# Altium PCB SmartHaloEE.PcbDoc (part 1 of 3) (continued)
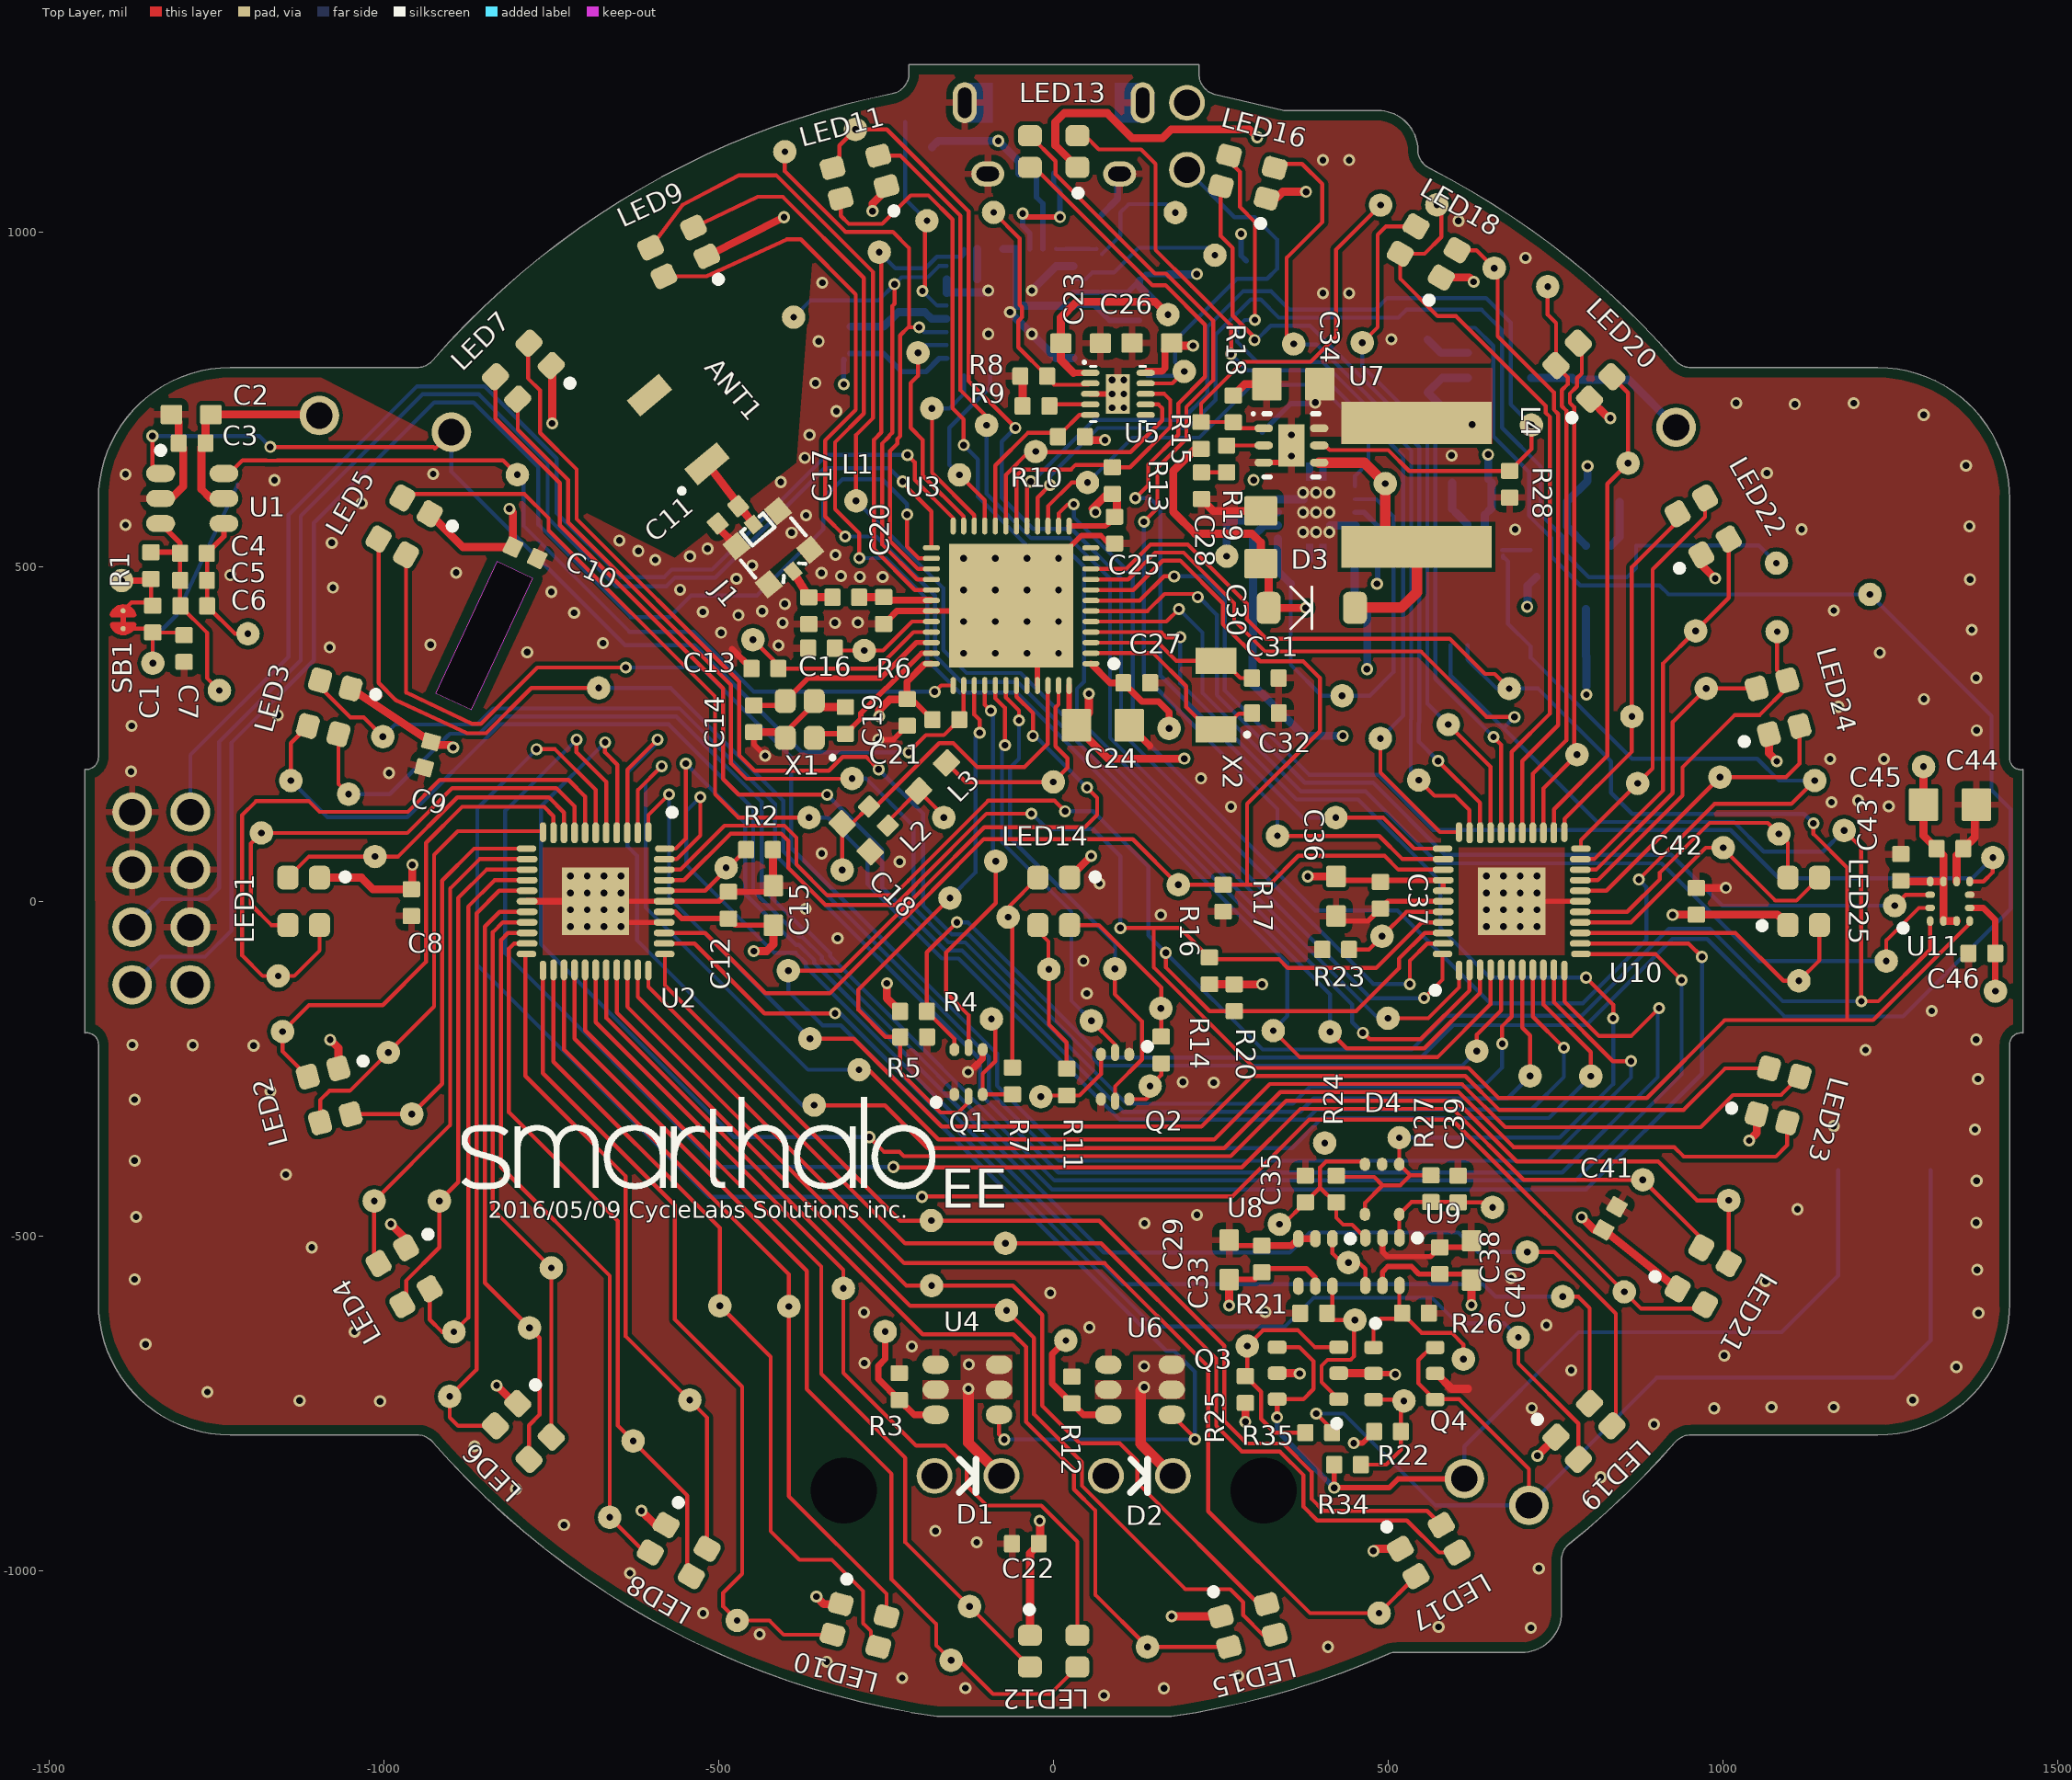
[diagram p0: Top Layer view]
## Components (designator, comment, footprint, x,y, rotation, side; value= is the part's Value field where it differs from the comment) (continued)
LED16 "LTSN-N213EGBW" LTSN-N213EGBW 289.88,1081.89 r75 top locked
LED17 "LTSN-N213EGBW" LTSN-N213EGBW 560.04,-970.04 r300 top locked
LED18 "LTSN-N213EGBW" LTSN-N213EGBW 560.04,970 r60 top locked
LED19 "LTSN-N213EGBW" LTSN-N213EGBW 792.01,-792.01 r315 top locked
LED20 "LTSN-N213EGBW" LTSN-N213EGBW 792.01,792.01 r45 top locked
LED21 "LTSN-N213EGBW" LTSN-N213EGBW 970,-560.04 r330 top locked
LED22 "LTSN-N213EGBW" LTSN-N213EGBW 970,560.04 r30 top locked
LED23 "LTSN-N213EGBW" LTSN-N213EGBW 1081.89,-289.92 r345 top locked
LED24 "LTSN-N213EGBW" LTSN-N213EGBW 1081.89,289.88 r15 top locked
LED25 "LTSN-N213EGBW" LTSN-N213EGBW 1120.08,0 r0 top locked
Q1 "NX3020NAKV" SOT666 -127.2,-255 r90 top
Q2 "NX3020NAKV" SOT666 91.7,-262.2 r270 top
Q3 "Si3590DV" TSOP-6 379.7,-704.9 r90 top
Q4 "Si3590DV" TSOP-6 523.7,-705.5 r270 top
R1 "2k Ohm" VARITRON_RES0402 -1348.2,501.5 r270 top
R2 "3.9k Ohm" VARITRON_RES0402 -439.3,77.1 r0 top
R3 "100 Ohm" VARITRON_RES0402 -230.61,-724.88 r270 top
R4 "100k Ohm" VARITRON_RES0402 -209.4,-164.6 r180 top
R5 "100k Ohm" VARITRON_RES0402 -209.1,-202.6 r180 top
R6 "100k Ohm" VARITRON_RES0402 -161,271.3 r180 top
R7 "160 Ohm" VARITRON_RES0402 -61.7,-268.4 r90 top
R8 "560 Ohm" VARITRON_RES0402 -29.8,784.6 r180 top
R9 "1k Ohm" VARITRON_RES0402 -26.4,739.9 r180 top
R10 "10k Ohm" VARITRON_RES0402 26.4,694 r0 top
R11 "110 Ohm" VARITRON_RES0402 19.4,-270.1 r90 top
R12 "100 Ohm" VARITRON_RES0402 27.24,-730.06 r270 top
R13 "10k Ohm" VARITRON_RES0402 87.7,628.5 r90 top
R14 "110 Ohm" VARITRON_RES0402 160.6,-222.1 r90 top
R15 "510k Ohm" VARITRON_RES0402 220.1,696 r270 top
R16 "4.7k Ohm" VARITRON_RES0402 232.6,-103.9 r270 top
R17 "100k Ohm" VARITRON_RES0402 253.1,4.6 r90 top
R18 "33k Ohm" VARITRON_RES0402 268.3,735.5 r270 top
R19 "10k Ohm" VARITRON_RES0402 258.2,660.8 r270 top
R20 "4.7k Ohm" VARITRON_RES0402 269.7,-144.1 r90 top
R21 "100k Ohm" VARITRON_RES0402 388.3,-615.4 r0 top
R22 "10k Ohm" Varitron_RES0402 498.5,-792.2 r180 top
R23 "3.9k Ohm" VARITRON_RES0402 421.1,-72 r180 top
R24 "1k Ohm" VARITRON_RES0402 422,-429.8 r90 top
R25 "10k Ohm" Varitron_RES0402 286.3,-729.5 r270 top
R26 "100k Ohm" VARITRON_RES0402 540.3,-615.3 r180 top
R27 "1k Ohm" VARITRON_RES0402 563.26,-429.33 r90 top
R28 "100k Ohm" VARITRON_RES0402 681,623 r270 top
R29 "100k Ohm" VARITRON_RES0402 922.6,551.5 r270 bottom
R30 "100k Ohm" Varitron_RES0402 721,504.6 r270 bottom
R31 "100k Ohm" VARITRON_RES0402 456,669.6 r315 bottom
R32 "10k Ohm" VARITRON_RES0402 171.9,956.3 r270 bottom
R33 "12k Ohm" VARITRON_RES0402 126.9,996.3 r270 bottom
R34 "10k Ohm" Varitron_RES0402 438.9,-841.5 r0 top
R35 "10k Ohm" Varitron_RES0402 395.8,-793.8 r180 top
R36 "12k Ohm" Varitron_RES0402 -201.6,1126.8 r0 bottom
R37 "12k Ohm" Varitron_RES0402 -202,1164.1 r0 bottom
RT1 "NTCS0402E3103FLT" VARITRON_RES0402 139.7,805.2 r270 bottom
RT2 "" THERMISTOR_TH 199,1142.9 r270 bottom
SB1 "Solderbridge" Solderbridge_Shorted -1389.8,433.9 r270 top net-tie
TP1 "" TESTPAD-TH-35MILS 1406.4,-134.3 r180 bottom locked
TP2 "" TESTPAD-TH-35MILS 1402.6,65.2 r180 bottom locked
TP3 "" TESTPAD-TH-35MILS 1299.08,201.22 r180 bottom locked
TP4 "" TESTPAD-TH-35MILS 1256.1,-6.5 r180 bottom locked
TP5 "" TESTPAD-TH-35MILS 1243.4,-89.2 r180 bottom locked
TP6 "" TESTPAD-TH-35MILS 1219,458.5 r180 bottom locked
TP7 "" TESTPAD-TH-35MILS 1180.5,105.8 r180 bottom locked
TP8 "" TESTPAD-TH-35MILS 1136.6,180.4 r180 bottom locked
TP9 "" TESTPAD-TH-35MILS 1112.9,-118.9 r180 bottom locked
TP10 "" TESTPAD-TH-35MILS 1083.1,100.7 r180 bottom locked
TP11 "" TESTPAD-TH-35MILS 1080.5,402.9 r180 bottom locked
TP12 "" TESTPAD-TH-35MILS 1079.4,505.2 r180 bottom locked
TP13 "" TESTPAD-TH-35MILS 1008.17,-446.77 r180 bottom locked
TP14 "" TESTPAD-TH-35MILS 1000,80.1 r180 bottom locked
TP15 "" TESTPAD-TH-35MILS 995.2,185.5 r180 bottom locked
TP16 "" TESTPAD-TH-35MILS 974.7,317.9 r180 bottom locked
TP17 "" TESTPAD-TH-35MILS 958.8,404 r180 bottom locked
TP18 "" TESTPAD-TH-1_5MM 929.5,708.1 r180 bottom
TP19 "" TESTPAD-TH-35MILS 879.9,-416 r180 bottom locked
TP20 "" TESTPAD-TH-35MILS 872.1,176.1 r180 bottom locked
TP21 "" TESTPAD-TH-35MILS 863.6,276.2 r180 bottom locked
TP22 "" TESTPAD-TH-35MILS 857.9,654.5 r180 bottom locked
TP23 "" TESTPAD-TH-35MILS 852.1,-583.4 r180 bottom locked
TP24 "" TESTPAD-TH-35MILS 802.2,-261.3 r180 bottom locked
TP25 "" TESTPAD-TH-35MILS 781.7,219 r180 bottom locked
TP26 "" TESTPAD-TH-35MILS 760.2,-590.7 r180 bottom locked
TP27 "" TESTPAD-TH-35MILS 737.8,918.3 r180 bottom locked
TP28 "" TESTPAD-TH-1_5MM 709.7,-902.5 r180 bottom locked
TP29 "" TESTPAD-TH-35MILS 713.4,711.4 r180 bottom locked
TP30 "" TESTPAD-TH-35MILS 711.5,-260.9 r180 bottom locked
TP31 "" TESTPAD-TH-35MILS 707.3,-523.8 r180 bottom locked
TP32 "" TESTPAD-TH-35MILS 693.9,-651.3 r180 bottom locked
TP33 "" TESTPAD-TH-35MILS 680.3,317.8 r180 bottom locked
TP34 "" TESTPAD-TH-35MILS 658,945.9 r180 bottom locked
TP35 "" TESTPAD-TH-35MILS 655.5,-457.2 r180 bottom locked
TP36 "" TESTPAD-TH-1_5MM 613.4,-862.7 r180 bottom locked
TP37 "" TESTPAD-TH-35MILS 631.9,-223.7 r180 bottom locked
TP38 "" TESTPAD-TH-35MILS 624.9,712.2 r180 bottom locked
TP39 "" TESTPAD-TH-35MILS 611.9,-683.8 r180 bottom locked
TP40 "" TESTPAD-TH-35MILS 589.4,264 r180 bottom locked
TP41 "" TESTPAD-TH-35MILS 545.2,181.1 r180 bottom locked
TP42 "" TESTPAD-TH-35MILS 516.04,-353.16 r180 bottom locked
TP43 "" TESTPAD-TH-35MILS 499.2,-174.7 r180 bottom locked
TP44 "" TESTPAD-TH-35MILS 490.4,-52.3 r180 bottom locked
TP45 "" TESTPAD-TH-35MILS 487.9,243.2 r180 bottom locked
TP46 "" TESTPAD-TH-35MILS 485.98,-1063.4 r180 bottom locked
TP47 "" TESTPAD-TH-35MILS 572.3,1040.4 r180 bottom locked
TP48 "" TESTPAD-TH-35MILS 450,-625.5 r180 bottom locked
TP49 "" TESTPAD-TH-35MILS 460.9,834.6 r180 bottom locked
TP50 "" TESTPAD-TH-35MILS 440.2,-539.6 r180 bottom locked
TP51 "" TESTPAD-TH-35MILS 430.8,307.1 r180 bottom locked
TP52 "" TESTPAD-TH-35MILS 421.3,125.1 r180 bottom locked
TP53 "" TESTPAD-TH-35MILS 412.7,-195 r180 bottom locked
TP54 "" TESTPAD-TH-35MILS 404.8,-361.1 r180 bottom locked
TP55 "" TESTPAD-TH-35MILS 358.4,832.6 r180 bottom locked
TP56 "" TESTPAD-TH-35MILS 337.3,-482.5 r180 bottom locked
TP57 "" TESTPAD-TH-35MILS 334.2,97.8 r180 bottom locked
TP58 "" TESTPAD-TH-35MILS 327.9,-193.2 r180 bottom locked
TP59 "" TESTPAD-TH-35MILS 240.8,965.2 r180 bottom locked
TP60 "" TESTPAD-TH-35MILS 181.7,1028.9 r180 bottom locked
TP61 "" TESTPAD-TH-35MILS 194.9,791.5 r180 bottom locked
TP62 "" TESTPAD-TH-35MILS 186.2,24.6 r180 bottom locked
TP63 "" TESTPAD-TH-35MILS 172.3,258.3 r180 bottom locked
TP64 "" TESTPAD-TH-35MILS 160,-160.1 r180 bottom locked
TP65 "" TESTPAD-TH-35MILS 144,-275.9 r180 bottom locked
TP66 "" TESTPAD-TH-35MILS 140.02,-1113.92 r180 bottom locked
TP67 "" TESTPAD-TH-35MILS 91.4,-101 r180 bottom locked
TP68 "" TESTPAD-TH-35MILS 56.3,-178.4 r180 bottom locked
TP69 "" TESTPAD-TH-35MILS 50.5,625.5 r180 bottom locked
TP70 "" TESTPAD-TH-35MILS 18.1,-656 r180 bottom locked
TP71 "" TESTPAD-TH-35MILS -0.5,178.3 r180 bottom locked
TP72 "" TESTPAD-TH-35MILS -7.2,-101.7 r180 bottom locked
TP73 "" TESTPAD-TH-35MILS -19.1,-291.8 r180 bottom locked
TP74 "" TESTPAD-TH-35MILS -26.9,671.9 r180 bottom locked
TP75 "" TESTPAD-TH-35MILS -68.1,-23.6 r180 bottom locked
TP76 "" TESTPAD-TH-35MILS -70.4,-611.3 r180 bottom locked
TP77 "" TESTPAD-TH-35MILS -72.1,-511 r180 bottom locked
TP78 "" TESTPAD-TH-35MILS -86.6,59.9 r180 bottom locked
TP79 "" TESTPAD-TH-35MILS -93,-175.8 r180 bottom locked
TP80 "" TESTPAD-TH-35MILS -100.2,711.1 r180 bottom locked
TP81 "" TESTPAD-TH-35MILS -125.6,-1053.4 r180 bottom locked
TP82 "" TESTPAD-TH-35MILS -140.8,637 r180 bottom locked
TP83 "" TESTPAD-TH-35MILS -153.3,-1133.8 r180 bottom locked
TP84 "" TESTPAD-TH-35MILS -154.9,4.9 r180 bottom locked
TP85 "" TESTPAD-TH-35MILS -164.1,125.1 r180 bottom locked
TP86 "" TESTPAD-TH-35MILS -182.1,736.3 r180 bottom locked
TP87 "" TESTPAD-TH-35MILS -182.3,-574.1 r180 bottom locked
TP88 "" TESTPAD-TH-35MILS -182.8,-476.9 r180 bottom locked
TP89 "" TESTPAD-TH-35MILS -202.7,819.3 r180 bottom locked
TP90 "" TESTPAD-TH-35MILS 170.6,876.5 r180 bottom locked
TP91 "" TESTPAD-TH-35MILS -260.5,969.8 r180 bottom locked
TP92 "" TESTPAD-TH-35MILS -251.7,-642.8 r180 bottom locked
TP93 "" TESTPAD-TH-35MILS -282.9,374.6 r180 bottom locked
TP94 "" TESTPAD-TH-35MILS -290.7,-251.7 r180 bottom locked
TP95 "" TESTPAD-TH-35MILS -295.1,598.1 r180 bottom locked
TP96 "" TESTPAD-TH-35MILS -296,1153.2 r180 bottom locked
TP97 "" TESTPAD-TH-35MILS -301.2,183.6 r180 bottom locked
TP98 "" TESTPAD-TH-35MILS -314.1,-578.3 r180 bottom locked
TP99 "" TESTPAD-TH-35MILS -315.7,46.9 r180 bottom locked
TP100 "" TESTPAD-TH-35MILS -357.7,-304.5 r180 bottom locked
TP101 "" TESTPAD-TH-35MILS -363.9,-205.4 r180 bottom locked
TP102 "" TESTPAD-TH-35MILS -365.4,124.9 r180 bottom locked
TP103 "" TESTPAD-TH-35MILS -388.4,872.6 r180 bottom locked
TP104 "" TESTPAD-TH-35MILS -395.4,-605.2 r180 bottom locked
TP105 "" TESTPAD-TH-35MILS -396.4,-103.6 r180 bottom locked
TP106 "" TESTPAD-TH-35MILS -401.5,1119.8 r180 bottom locked
TP107 "" TESTPAD-TH-35MILS -449.2,390.9 r180 bottom locked
TP108 "" TESTPAD-TH-35MILS -472.7,-1074.3 r180 bottom locked
TP109 "" TESTPAD-TH-35MILS -489.2,50.2 r180 bottom locked
TP110 "" TESTPAD-TH-35MILS -498.7,-604.4 r180 bottom locked
TP111 "" TESTPAD-TH-35MILS -543.4,-745 r180 bottom locked
TP112 "" TESTPAD-TH-35MILS -628.1,-806.1 r180 bottom locked
TP113 "" TESTPAD-TH-35MILS -663.1,-920.2 r180 bottom locked
TP114 "" TESTPAD-TH-35MILS -679.6,318.6 r180 bottom locked
TP115 "" TESTPAD-TH-35MILS -750.29,-547.61 r180 bottom locked
TP116 "" TESTPAD-TH-35MILS -782.9,-637.1 r180 bottom locked
TP117 "" TESTPAD-TH-35MILS -801,637.3 r180 bottom locked
TP118 "" TESTPAD-TH-1_5MM -899.5,700.9 r180 bottom locked
TP119 "" TESTPAD-TH-35MILS -895.7,-643.2 r180 bottom locked
TP120 "" TESTPAD-TH-35MILS -902.1,-739.6 r180 bottom locked
TP121 "" TESTPAD-TH-35MILS -917.4,-447.6 r180 bottom locked
TP122 "" TESTPAD-TH-35MILS -958.6,-317.9 r180 bottom locked
TP123 "" TESTPAD-TH-35MILS -993.8,-225.7 r180 bottom locked
TP124 "" TESTPAD-TH-35MILS -1001.8,246 r180 bottom locked
TP125 "" TESTPAD-TH-35MILS -1013.6,66.9 r180 bottom locked
TP126 "" TESTPAD-TH-35MILS -1014.8,-447.7 r180 bottom locked
TP127 "" TESTPAD-TH-35MILS -1053,160.1 r180 bottom locked
TP128 "" TESTPAD-TH-1_5MM -1096.7,725.7 r180 bottom locked
TP129 "" TESTPAD-TH-35MILS -1139.3,180.3 r180 bottom locked
TP130 "" TESTPAD-TH-35MILS -1151.6,-194.6 r180 bottom locked
TP131 "" TESTPAD-TH-35MILS -1158.2,-111.5 r180 bottom locked
TP132 "" TESTPAD-TH-35MILS -1183.3,102.1 r180 bottom locked
TP133 "" TESTPAD-TH-35MILS -1203.4,399.6 r180 bottom locked
TP134 "" TESTPAD-TH-35MILS -1246,315 r180 bottom locked
TP135 "" TESTPAD-TH-1_5MM -1289.36,-124.7 r180 bottom locked
TP136 "" TESTPAD-TH-1_5MM -1289.36,-38.7 r180 bottom locked
TP137 "" TESTPAD-TH-1_5MM -1289.36,47.3 r180 bottom
TP138 "" TESTPAD-TH-1_5MM -1289.36,133.3 r180 bottom locked
TP139 "" TESTPAD-TH-35MILS -1345.5,355.8 r180 bottom locked
TP140 "" TESTPAD-TH-1_5MM -1376.36,-124.7 r180 bottom locked
TP141 "" TESTPAD-TH-1_5MM -1376.36,47.3 r180 bottom
TP142 "" TESTPAD-TH-1_5MM -1376.36,133.3 r180 bottom
TP143 "" TESTPAD-TH-1_5MM -1376.36,-38.7 r180 bottom locked
TP144 "" TESTPAD-TH-35MILS -1392,479.1 r180 bottom locked
TP145 "TP" TESTPAD-TH-35MILS -189.3,1016.7 r180 bottom locked
TP146 "TP" TESTPAD-TH-35MILS 523.1,-746.3 r180 bottom locked
TP147 "TP" TESTPAD-TH-35MILS -89.7,1029.1 r180 bottom locked
TP148 "TP" TESTPAD-TH-35MILS 289.1,-664.3 r180 bottom locked
TP149 "TP" TESTPAD-TH-35MILS 258.4,515.5 r180 bottom locked
TP150 "TP" TESTPAD-TH-35MILS 488.2,1040 r180 bottom locked
TP151 "TP" TESTPAD-TH-35MILS 495.3,624 r180 bottom locked
U1 "AT42QT1010" 6ST1_N -1286.53,601.75 r0 top locked
U2 "IS31FL3236-QFLS2-TR" QFN-44 -684.06,0 r270 top locked
U3 "nRF52832-QFAA" QFN40P600X600X90-48N -63.52,441.52 r180 top
U4 "IS31LT3171" SOT23-6 -128.94,-729.65 r90 top
U5 "BQ24040DSQR" DSQ10-1500X900TP 96,758 r270 top
U6 "IS31LT3171" SOT23-6 128.94,-729.65 r90 top
U7 "TPS61170DRVR" DRV6-1600X1000TP 355.1,681 r0 top
U8 "74LVC2GU04DCKRG4" SOT363_SC70_6 390.87,-539.51 r180 top
U9 "NL27WZ14DFT2G" SOT363_SC70_6 491.02,-538.35 r180 top
U10 "IS31FL3236-QFLS2-TR" QFN-44 684.06,0 r90 top locked
U11 "LSM303AGR" LGA12-2X2X1_N 1338.58,0 r90 top locked
U12 "TLV70028DDCR" SOT23-5_N 832.32,484 r270 bottom
U13 "TLV70028DDCR" SOT23-5_N 666.1,819.42 r0 bottom
U14 "LC709203FQH-01TWG" WDFN8 631.04,453.78 r0 bottom
U15 "TPS61202DRCR" DRC10-2400X1650TP 392,581 r0 bottom
U16 "CY7C65213-32LTXI" QFN-32-TP -65.2,880 r0 bottom
X1 "CX2016DB32000D0WPRC1" CRYSTAL_2016_4PINS -379.33,271.69 r90 top
X2 "ST3215SB32768E0HPWB1" CRYSTAL_3215_2PINS 242.56,308.05 r90 top

## Footprints (in the part's own frame and the unit in brackets; to place one, negate y for a bottom-side part, rotate by r counter-clockwise, add the part's x,y. Pads: shape width x height; smd on the part's side, far side on the other; paste and mask are expansions set on the pad)
6ST1_N [mm] "SOT23, 6-Leads, Body 2.9x1.6mm, Pitch 0.95mm, Lead Span 2.8mm, IPC Medium Density"
  oval 1.1x0.65 smd mask+0.076: 1(-1.2,0.95) 2(-1.2,0) 3(-1.2,-0.95) 4(1.2,-0.95) 5(1.2,0) 6(1.2,0.95)
  silkscreen extent -1.32,1.7 -1.07,1.95, body extent -0.87,-1.5 0.87,1.5, height 1.45
2450AT18A100 [mm] "Johanson Technology 2.45GHz SMD Chip Antenna, 3.2 x 1.6 mm body, 0.8 x 1.6 mm pads"
  rect 0.8x1.6 smd: 1(-1.7,0) 2(1.7,0)
  silkscreen extent -1.93,1.34 -1.82,1.46, body extent -1.6,-0.8 1.6,0.8, height 1.3
10118194-0001LF [mm] "Micro USB B Type Receptacle, 5 pins, 0.4 x 1.35 mm pads"
  rrect100% 0.9x1.55 hole 0.5 slot 1.15 at 90 deg unplated: 0(-3.375,-2.675) 0(3.375,-2.675)
  rect 0.5x0.5 smd paste-0.1 mask-0.1: 0(-2.6,-2.675) 0(2.6,-2.675)
  rrect100% 1.25x0.95 hole 0.55 slot 0.85 at 0 deg unplated: 0(-2.5,0.025) 0(2.5,0.025)
  rect 1.5x1.55 smd: 0(-1,-2.675) 0(1,-2.675)
  oval 0.4x1.35 smd mask+0.051: 1(-1.3,0) 2(-0.65,0) 3(0,0) 4(0.65,0) 5(1.3,0)
  Top Layer region: -3.325,-3.425 -3.516,-3.387 -3.679,-3.279 -3.787,-3.116 -3.825,-2.925 -3.825,-2.925 -3.825,-2.425 -3.787,-2.234 -3.679,-2.071 -3.516,-1.963 -3.325,-1.925 -3.325,-1.925 -2.325,-1.925 -2.325,-3.425
  Top Layer region: 3.325,-1.925 3.516,-1.963 3.679,-2.071 3.787,-2.234 3.825,-2.425 3.825,-2.425 3.825,-2.925 3.787,-3.116 3.679,-3.279 3.516,-3.387 3.325,-3.425 3.325,-3.425 2.325,-3.425 2.325,-1.925
  body extent -3.7,-4.82 3.7,0.13, height 3.06
59453061110ECHLF [mm] "Connector, 6 contacts, 0.3 x 0.9 mm pads, 0.52 x 1.0 mm mechanical pads, 0.5 mm pitch"
  oval 0.52x1 smd: 0(-1.99,-1.2) 0(1.99,-1.2)
  oval 0.3x0.9 smd mask+0.051: 1(-1.25,0) 2(-0.75,0) 3(-0.25,0) 4(0.25,0) 5(0.75,0) 6(1.25,0)
  silkscreen extent -2.25,-3.35 2.25,-0.15, body extent -2.25,-3.35 2.25,-0.15, height 0.9
709296001002006 [mm] "Connector Wire to Board, 2.0 x 2.0 mm, 2 pads, 2.4 x 2.2 mm, 4 mm pitch"
  rect 2.4x2.2 smd: 1(-2,0) 1(2,0)
  silkscreen extent -0.6,-1 0.57,1, body extent -3,-1 3,1, height 2
BM02(3)B-ADHSS-GAN-ETB [mm] "ADH Connector, 2 pins, 0.9 x 0.6 mm pads, 2 mecanical pads 2.2 x 0.75 mm"
  rect 2.2x0.75 smd: 0(-3.4,-2.525) 0(-3.4,2.525)
  rect 0.9x0.6 smd: 1(0,1.3) 2(0,-1.3)
  silkscreen extent 0.52,2.53 0.77,2.77, body extent -4,-2.85 0.3,2.85, height 1.9
COAXIAL-SWF [mm]
  rect 0.5x0.58 smd: 1(0,1.16) 3(0,-1.16)
  rect 0.75x0.8 smd: 2(-1.025,0.95) 2(-1.025,-0.95) 2(1.025,-0.95) 2(1.025,0.95)
  Top Layer pour cut-out: -0.65,0.55 0.65,0.55 0.65,1.35 -0.65,1.35
  Top Layer pour cut-out: 0.65,-0.55 -0.65,-0.55 -0.65,-1.35 0.65,-1.35
  silkscreen extent -1.25,-1.25 1.25,1.25
CRYSTAL_2016_4PINS [mm] "CRYSTAL 2.0 x 1.6 mm, 4 Pads, 1.4 mm Horizontal Pitch, 1.1 mm Vertical Pitch"
  rrect50% 0.9x0.8 smd: 1(-0.7,-0.55) 2(0.7,-0.55) 3(0.7,0.55) 4(-0.7,0.55)
  silkscreen extent -1.47,-1.27 -1.42,-1.22, body extent -1,-0.8 1,0.8, height 0.4
CRYSTAL_3215_2PINS [mm] "CRYSTAL 3.2 x 1.5 x 0.8 mm, 2 Pads 1.0 x 1.55 mm, 2.6 mm pitch"
  rect 1x1.55 smd: 1(-1.3,0) 2(1.3,0)
  silkscreen extent -1.53,-1.2 -1.47,-1.15, body extent -1.6,-0.75 1.6,0.75, height 0.8
DRC10-2400X1650TP [mm] "SON, 10-Leads, Body 3x3mm, Pitch 0.5mm, Thermal Pad 2.4x1.65mm, TI Recommended"
  oval 0.85x0.28 smd paste-0.025 mask+0.07: 1(-1.475,1) 2(-1.475,0.5) 3(-1.475,0) 4(-1.475,-0.5) 5(-1.475,-1) 6(1.475,-1) 7(1.475,-0.5) 8(1.475,0) 9(1.475,0.5) 10(1.475,1)
  rect 1.65x2.4 smd paste-0.825 mask+0.07: 11(0,0)
  Top Layer region: -0.39,-1.199 -0.11,-1.199 -0.11,-1.899 -0.39,-1.899
  Top Layer region: 0.39,-1.899 0.11,-1.899 0.11,-1.199 0.39,-1.199
  Top Layer region: 0.39,1.199 0.11,1.199 0.11,1.899 0.39,1.899
  Top Layer region: -0.39,1.899 -0.11,1.899 -0.11,1.199 -0.39,1.199
  silkscreen extent -2.15,-1.7 1.7,1.7, body extent -1.55,-1.55 1.55,1.55, height 1
DRV6-1600X1000TP [mm] "SON, 6-Leads, Body 2x2mm, Pitch 0.65mm, Thermal Pad 1.6x1mm, TI Recommended"
  oval 0.7x0.3 smd paste-0.025 mask+0.07: 1(-1.05,0.65) 2(-1.05,0) 3(-1.05,-0.65) 4(1.05,-0.65) 5(1.05,0) 6(1.05,0.65)
  rect 1x1.6 smd paste-0.5 mask+0.07: 7(0,0)
  silkscreen extent -1.5,-1.2 1.05,1.25, body extent -1.05,-1.05 1.05,1.05, height 0.8
DSQ10-1500X900TP [mm] "WSON-10, 10 pins, 0.23 x 0.7 mm pads, 0.4 x 2.1 mm pitch, Thermal pad 0.9 x 1.5 mm"
  oval 0.23x0.7 smd mask+0.051: 1(-0.8,-1.05) 2(-0.4,-1.05) 3(0,-1.05) 4(0.4,-1.05) 5(0.8,-1.05) 6(0.8,1.05) 7(0.4,1.05) 8(0,1.05) 9(-0.4,1.05) 10(-0.8,1.05)
  rect 1.5x0.9 smd mask+0.051: 11(0,0)
  silkscreen extent -1.25,-1.32 1.05,1.05, body extent -1.05,-1.05 1.05,1.05, height 0.8
FRONTLED_PADS [mm] "Front Led pads"
  round 1.36 hole 1: 1(-1.27,0) 2(1.27,0)
  silkscreen extent -0.34,-0.64 0.3,0.63
LGA12-2X2X1_N [mm] "PQFN, 12-Leads, Body 2x2mm, Pitch 0.5mm, IPC Medium Density"
  oval 0.375x0.25 smd mask+0: 1(-0.75,0.75) 2(-0.75,0.25) 3(-0.75,-0.25) 4(-0.75,-0.75) 7(0.75,-0.75) 8(0.75,-0.25) 9(0.75,0.25) 10(0.75,0.75)
  oval 0.25x0.375 smd mask+0: 5(-0.25,-0.75) 6(0.25,-0.75) 11(0.25,0.75) 12(-0.25,0.75)
  silkscreen extent -1.14,1.65 -0.89,1.9, body extent -1.14,-1.14 1.14,1.14, height 1
LTSN-N213EGBW [mm] "SMD LED LiteOn LTSN-N213EGBW, 2.1 x 2.1 mm, 1.2 x 1.8mm pitch"
  rrect50% 0.8x0.9 smd: 1(-0.6,-0.9) 2(0.6,-0.9) 3(0.6,0.9) 4(-0.6,0.9)
  silkscreen extent -1.7,-1.05 -1.45,-0.8, body extent -1.05,-1.05 1.05,1.05, height 1
ONSC-SOD-123-2-425-04_V [mil] "Schottky Power Rectifier, 2-Pin SOD-123, Pb-Free, Tape and Reel"
  rrect50% 36x48 smd: 1(-64.5,0) 2(64.5,0)
  silkscreen extent -31,-32 0,31, body extent -73,-32 73,32, height 53
QFN40P600X600X90-48N [mm]
  oval 0.65x0.2 smd: 1(-3.025,2.2) 2(-3.025,1.8) 3(-3.025,1.4) 4(-3.025,1) 5(-3.025,0.6) 6(-3.025,0.2) 7(-3.025,-0.2) 8(-3.025,-0.6) 9(-3.025,-1) 10(-3.025,-1.4) 11(-3.025,-1.8) 12(-3.025,-2.2) 25(3.025,-2.2) 26(3.025,-1.8) 27(3.025,-1.4) 28(3.025,-1) 29(3.025,-0.6) 30(3.025,-0.2) 31(3.025,0.2) 32(3.025,0.6) 33(3.025,1) 34(3.025,1.4) 35(3.025,1.8) 36(3.025,2.2)
  oval 0.2x0.65 smd: 13(-2.2,-3.025) 14(-1.8,-3.025) 15(-1.4,-3.025) 16(-1,-3.025) 17(-0.6,-3.025) 18(-0.2,-3.025) 19(0.2,-3.025) 20(0.6,-3.025) 21(1,-3.025) 22(1.4,-3.025) 23(1.8,-3.025) 24(2.2,-3.025) 37(2.2,3.025) 38(1.8,3.025) 39(1.4,3.025) 40(1,3.025) 41(0.6,3.025) 42(0.2,3.025) 43(-0.2,3.025) 44(-0.6,3.025) 45(-1,3.025) 46(-1.4,3.025) 47(-1.8,3.025) 48(-2.2,3.025)
  rect 4.7x4.7 smd: 49(0,0)
  silkscreen extent -4.03,2.08 -3.78,2.32, body extent -3,-3 3,3, height 0.9
QFN-32-TP [mm] "QFN-32, 5.0 x 5.0 x 1.0 mm body, 0.25 x 0.7 mm pads, 2.75 x 2.75 thermal pad"
  oval 0.7x0.25 smd mask+0.051: 1(-2.4,1.75) 2(-2.4,1.25) 3(-2.4,0.75) 4(-2.4,0.25) 5(-2.4,-0.25) 6(-2.4,-0.75) 7(-2.4,-1.25) 8(-2.4,-1.75) 17(2.4,-1.75) 18(2.4,-1.25) 19(2.4,-0.75) 20(2.4,-0.25) 21(2.4,0.25) 22(2.4,0.75) 23(2.4,1.25) 24(2.4,1.75)
  oval 0.25x0.7 smd mask+0.051: 9(-1.75,-2.4) 10(-1.25,-2.4) 11(-0.75,-2.4) 12(-0.25,-2.4) 13(0.25,-2.4) 14(0.75,-2.4) 15(1.25,-2.4) 16(1.75,-2.4) 25(1.75,2.4) 26(1.25,2.4) 27(0.75,2.4) 28(0.25,2.4) 29(-0.25,2.4) 30(-0.75,2.4) 31(-1.25,2.4) 32(-1.75,2.4)
  rect 2.75x2.75 smd mask+0.051: 33(0,0)
  silkscreen extent -3.17,2.58 -2.93,2.82, body extent -2.5,-2.5 2.5,2.5, height 1
QFN-44 [mm] "QFN-44, 5 x 5 x 0.8 mm body, 0.25 x 0.8 mm pads, 0.4 pin pitch, 2.55 x 2.55 mm thermal pad"
  oval 0.75x0.25 smd mask+0: 1(-2.625,2) 11(-2.625,-2) 23(2.625,-2) 33(2.625,2)
  oval 0.8x0.25 smd mask+0: 2(-2.6,1.6) 3(-2.6,1.2) 4(-2.6,0.8) 5(-2.6,0.4) 6(-2.6,0) 7(-2.6,-0.4) 8(-2.6,-0.8) 9(-2.6,-1.2) 10(-2.6,-1.6) 24(2.6,-1.6) 25(2.6,-1.2) 26(2.6,-0.8) 27(2.6,-0.4) 28(2.6,0) 29(2.6,0.4) 30(2.6,0.8) 31(2.6,1.2) 32(2.6,1.6)
  oval 0.25x0.75 smd mask+0: 12(-2,-2.625) 22(2,-2.625) 34(2,2.625) 44(-2,2.625)
  oval 0.25x0.8 smd mask+0: 13(-1.6,-2.6) 14(-1.2,-2.6) 15(-0.8,-2.6) 16(-0.4,-2.6) 17(0,-2.6) 18(0.4,-2.6) 19(0.8,-2.6) 20(1.2,-2.6) 21(1.6,-2.6) 35(1.6,2.6) 36(1.2,2.6) 37(0.8,2.6) 38(0.4,2.6) 39(0,2.6) 40(-0.4,2.6) 41(-0.8,2.6) 42(-1.2,2.6) 43(-1.6,2.6)
  rect 2.55x2.55 smd: 45(0,0)
  silkscreen extent -3.5,2.78 -3.25,3.03, body extent -2.5,-2.5 2.5,2.5, height 0.8
SC70-5 [mm] "SC70-5, 0.4 x 0.5 mm pads, 0.65 x 1.9 mm pitch"
  oval 0.4x0.5 smd mask+0.051: 1(-0.65,-0.95) 2(0,-0.95) 3(0.65,-0.95) 4(0.65,0.95) 5(-0.65,0.95)
  body extent -1,-0.63 1,0.63, height 1.1
Solderbridge_Shorted [mm]
  round 0.2 smd paste-10: 1(0,0) 2(0.676,0)
  Top Layer region: 0.44,0.432 0.516,0.505 0.634,0.467 0.698,0.424 0.772,0.351 0.826,0.292 0.884,0.193 0.912,0.099 0.907,-0.122 0.881,-0.193 0.798,-0.33 0.714,-0.411 0.622,-0.469 0.521,-0.5 0.47,-0.483 0.44,-0.43
  Top Layer region: 0.236,-0.432 0.16,-0.505 0.042,-0.467 -0.023,-0.424 -0.097,-0.351 -0.15,-0.292 -0.208,-0.193 -0.236,-0.099 -0.231,0.122 -0.206,0.193 -0.122,0.33 -0.038,0.411 0.054,0.469 0.155,0.5 0.206,0.483 0.236,0.43
  Top Layer lines w0.152: 0.516,-0.431 ccw(c0.406,0) 0.516,0.431 ; 0.159,-0.431 cw(c0.27,0) 0.159,0.431
  Top Layer lines w0.203: 0.676,0 0,0
SOT23-5_N [mm] "SOT23, 5-Leads, Body 2.9x1.6mm, Pitch 0.95mm, Lead Span 2.8mm, IPC Medium Density"
  oval 1.1x0.65 smd: 1(-1.2,0.95) 2(-1.2,0) 3(-1.2,-0.95) 4(1.2,-0.95) 5(1.2,0.95)
  silkscreen extent -1.32,1.7 -1.08,1.95, body extent -0.9,-1.55 0.9,1.55, height 1.4
SOT23-6 [mm] "SOT23-6 pins, 2.92 x 1.6 mm body, 0.7mm x 1mm pads, 0.95 x 2.4 mm pitch"
  oval 0.7x1 smd mask+0.051: 1(-0.95,-1.2) 2(0,-1.2) 3(0.95,-1.2) 4(0.95,1.2) 5(0,1.2) 6(-0.95,1.2)
  body extent -1.56,-0.9 1.56,0.9, height 1.35
SOT363_SC70_6 [mil] "SOT363-6, SC70, 2 x 1.25 x 1 mm body, 16 x 26 mils pads, 26 x 71 mils pitch"
  oval 16x26 smd mask+2: 1(-25.5,-35.5) 2(0,-35.5) 3(25.5,-35.5) 4(25.5,35.5) 5(0,35.5) 6(-25.5,35.5)
  silkscreen extent -57,-40 -47,-31, body extent -39,-25 39,25, height 39
SOT666 [mm] "SOT666, 1.3 x 1.7 x 0.6 mm body, 0.375 x 0.5 mm pads, 1.6 x 0.538 mm pitch"
  oval 0.5x0.375 smd mask+0.046: 1(-0.85,0.538) 3(-0.85,-0.538) 4(0.85,-0.538) 6(0.85,0.538)
  oval 0.65x0.3 smd mask+0.046: 2(-0.925,0) 5(0.925,0)
  silkscreen extent -1.27,1.1 -1.03,1.35, body extent -0.65,-0.85 0.65,0.85, height 0.6
SRN3015-2R2M [mm] "Inductor, 3.0 x 3.0 x 1.5 mm, 1.0 x 2.7 pads, 2.2 mm pitch"
  rect 1x2.7 smd: 1(-1.1,0) 2(1.1,0)
  body extent -1.5,-1.5 1.5,1.5, height 1.5
SRN5020-100M [mm] "Inductor SRN5020-100M, 10 uH, 5.0 x 5.0 mm x 2.0 body, 1.6 x 5.7 mm pad, 4.7 mm pitch"
  rect 1.6x5.7 smd: 1(-2.35,0) 2(2.35,0)
  body extent -2.5,-2.5 2.5,2.5, height 2
TESTPAD-TH-1_5MM [mm] "Through-hole testpad, 1.5mm"
  round 1.5 hole 1: 1(0,0)
  silkscreen extent -1,-1 1,1
TESTPAD-TH-35MILS [mil] "Through-hole testpad 35 mils"
  round 35 hole 10: 1(0,0)
THERMISTOR_TH [mm] "Through hole pads for thermistor"
  round 1.36 hole 1: 1(-1.27,0) 2(1.27,0)
TSOP-6 [mil] "TSOP 6 leads, 3.05 x 1.65 x 1.1 mm body, 6 pads, 0.508 x 0.699 mm pads. 1.001 x 2.325 mm pitch"
  rrect50% 20x28 smd: 1(-39,-46) 2(0,-46) 3(39,-46) 4(39,46) 5(0,46) 6(-39,46)
  silkscreen extent -80,-48 -70,-38, body extent -61,-59 61,59, height 43
Varitron_CAP0402 [mil] "Capacitor 0402(1005), max 1mm height"
  rrect21% 24x26 smd: 1(-20,0) 2(20,0)
  body extent -21,-11 21,11, height 39
VARITRON_CAP0402 [mil] "Capacitor 0402(1005), max 1mm height"
  rrect21% 24x26 smd: 1(-20,0) 2(20,0)
  body extent -21,-11 21,11, height 39
Varitron_CAP0603 [mil] "Capacitor 0603(1608), max 1mm height"
  rrect17% 32x29 smd: 1(-29.5,0) 2(29.5,0)
  body extent -33,-19 33,19, height 39
VARITRON_CAP0603 [mil] "Capacitor 0603(1608), max 1mm height"
  rrect17% 32x29 smd: 1(-29.5,0) 2(29.5,0)
  body extent -33,-19 33,19, height 39
VARITRON_CAP0805 [mil] "Capacitor 0805(2012), max 1mm height"
  rrect11% 44x49 smd: 1(-39.5,0) 2(39.5,0)
  body extent -43,-27 43,27, height 39
Varitron_CAP0805 [mil] "Capacitor 0805(2012), max 1mm height"
  rrect11% 44x49 smd: 1(-39.5,0) 2(39.5,0)
  body extent -43,-27 43,27, height 39
Varitron_CAP1206 [mil] "Capacitor 1206(3216), max 1mm height"
  rrect9% 55x65 smd: 1(-59,0) 2(59,0)
  body extent -66,-34 66,34, height 39
VARITRON_IND0402 [mil] "Inductor 0402(1005), max 1mm height"
  rrect21% 24x26 smd: 1(-20,0) 2(20,0)
  body extent -21,-11 21,11, height 39
VARITRON_IND0603 [mil] "Inductor 0603(1608), max 1mm height"
  rrect17% 32x29 smd: 1(-29.5,0) 2(29.5,0)
  body extent -33,-19 33,19, height 39
VARITRON_RES0402 [mil] "Resistor 0402(1005), max 1mm height"
  rrect21% 24x26 smd: 1(-20,0) 2(20,0)
  body extent -21,-11 21,11, height 39
Varitron_RES0402 [mil] "Resistor 0402(1005), max 1mm height"
  rrect21% 24x26 smd: 1(-20,0) 2(20,0)
  body extent -21,-11 21,11, height 39
WDFN8 [mm] "WDFN8, 3 x 4 mm, 8 pins, 0.7 x 0.35 mm pads, 0.65 x 3.6 mm pitch"
  rect 1.96x2.56 smd mask+0.051: 0(0,0)
  oval 0.35x0.7 smd mask+0.051: 1(-0.975,-1.8) 2(-0.325,-1.8) 3(0.325,-1.8) 4(0.975,-1.8) 5(0.975,1.8) 6(0.325,1.8) 7(-0.325,1.8) 8(-0.975,1.8)
  silkscreen extent -1.9,-2.5 -1.7,-2.3, body extent -1.5,-2 1.5,2, height 0.8